# Altium PCB STM32F7_CoreBoard.PcbDoc (part 3 of 8) (continued)
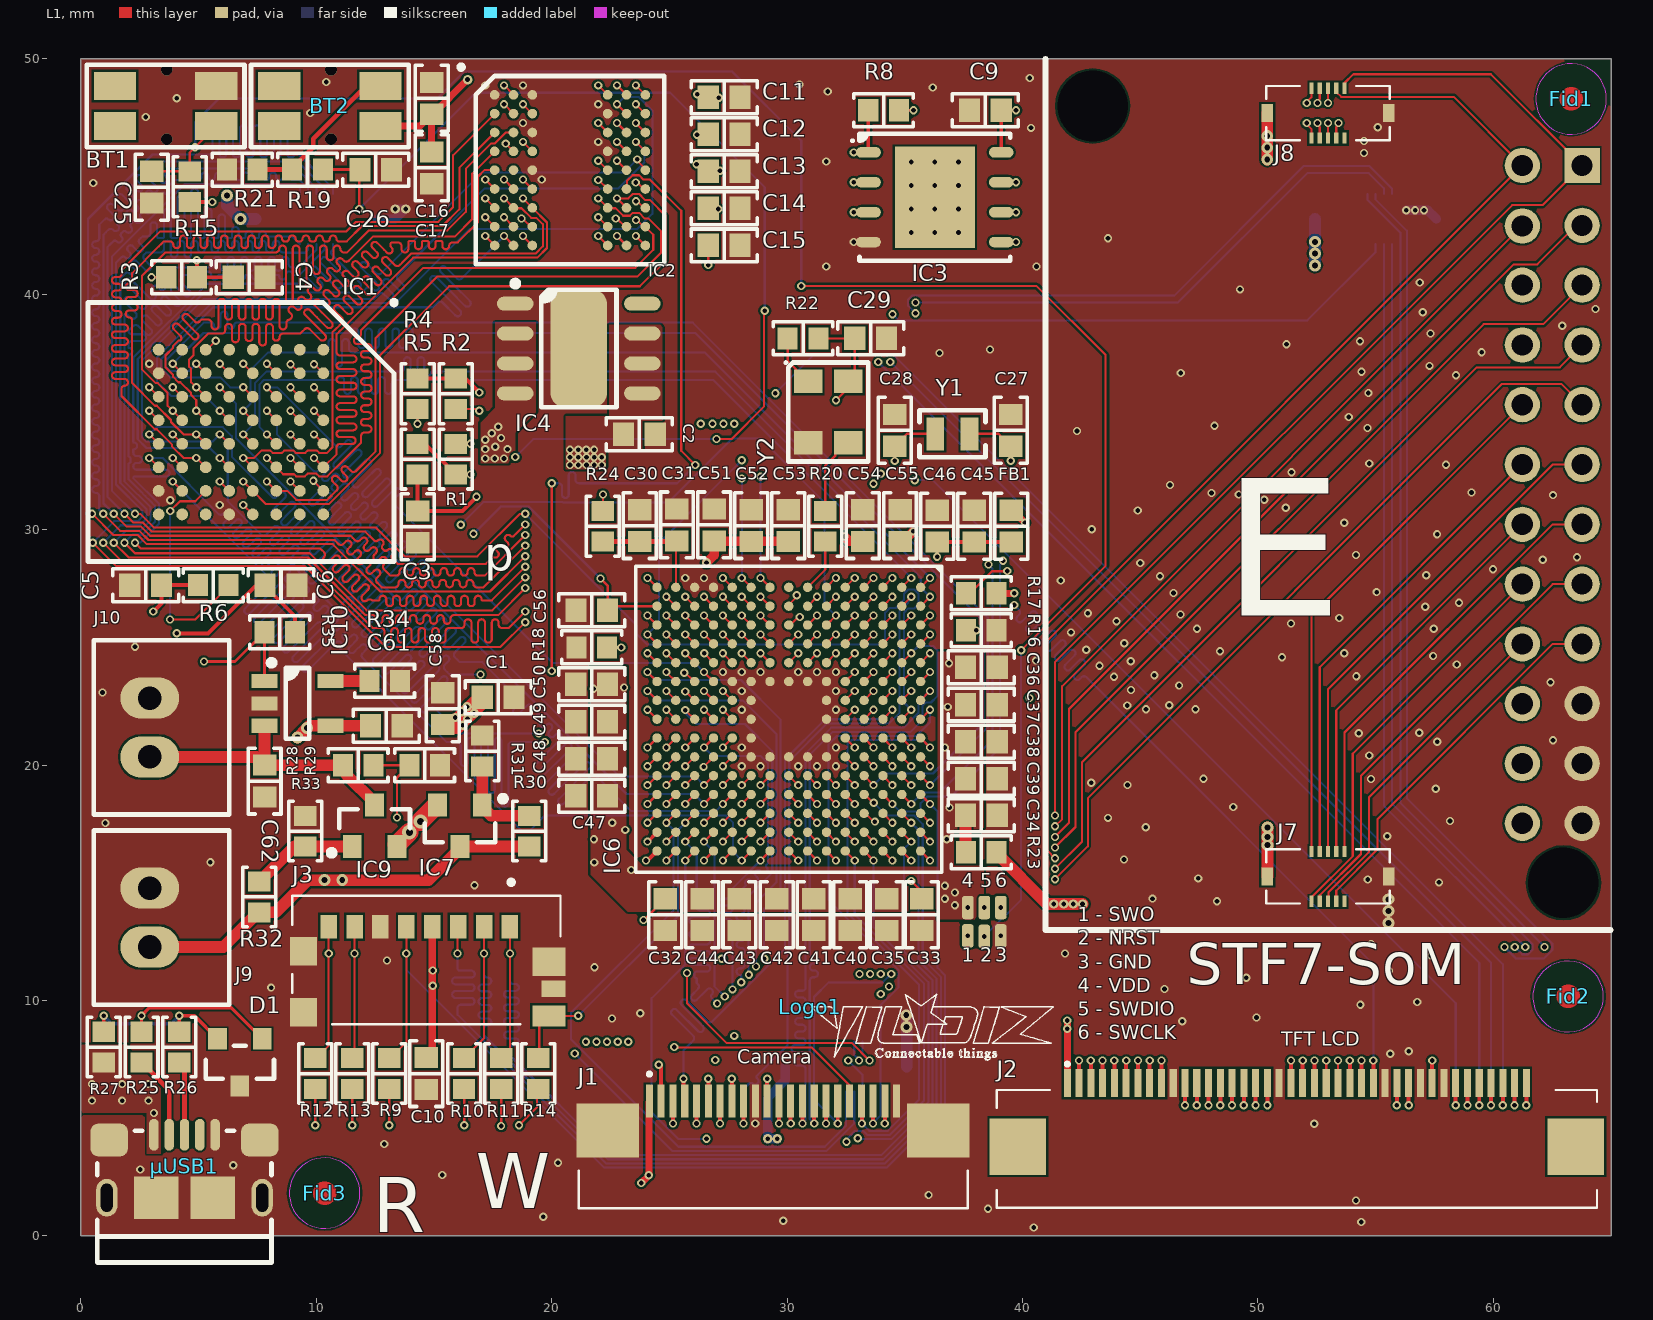
[diagram p0: L1 view]
## Nets (pads, with @x,y where several pads share a name; then routed paths per layer and width w, separated by ;. In a path a pad name is that pad's centre, name@x,y a point inside that pad or via, vN(x,y) a via of type N, cw(c..) or ccw(c..) an arc to the next point about the centre after c; other vN are vias at no path point) (continued)
CAMERA_MISO: IC6.A9 J1.19 | length 24.7
  L1 w0.089: IC6.A9@35.67,21.152 v1(36.07,20.752)
  L1 w0.169: J1.19@33.15,5.725 33.175,5.7 v1(33.175,4.775)
  L6 w0.089: v1(33.175,4.775) 33.483,4.467 34.278,4.467 35.6,5.789 35.6,10.676 32.562,13.715 32.562,20.88 32.742,21.061 35.762,21.061 v1(36.07,20.752)
CAMERA_MOSI: IC6.A8 J1.20 | length 24.5
  L1 w0.089: IC6.A8@35.67,21.952 v1(36.07,22.352)
  L1 w0.169: v1(33.65,4.775) J1.20@33.65,5.725
  L6 w0.089: v1(33.65,4.775) 33.65,4.811 33.97,5.131 33.97,9.809 34.733,10.572 34.733,11.292 31.762,14.263 31.762,20.88 32.12,21.238 35.484,21.238 36.07,21.825 v1(36.07,22.352)
CAMERA_SCL: IC6.P4 J1.18 | length 30.5
  L1 w0.089: v1(24.87,25.553) IC6.P4@25.27,25.153 ; v1(25.2,8.025) 25.211,8.014 31.036,8.014 32.65,6.4 J1.18@32.65,5.725
  L3 w0.089: v1(24.87,25.553) 24.87,25.23 25.225,24.875 25.225,24.558 25.391,24.392 25.809,24.392 26.162,24.039 26.162,23.025 26.434,22.752 27.306,22.752 27.7,22.359 27.7,19.75 27.499,19.549 27.231,19.549 26.956,19.274 26.956,19.026 26.774,18.844 26.189,18.844 26.002,18.657 26.002,16.402 25.875,16.275 25.557,16.275 25.206,15.924 25.206,8.031 v1(25.2,8.025)
CAN_RX: IC6.E4 J5.4 | length 39
  L1 w0.089: IC6.E4@32.47,25.153 v1(32.87,25.553)
  L3 w0.089: v1(32.87,25.553) 33.231,25.914 33.231,26.548 33.371,26.688 33.857,26.688 34.075,26.905 34.075,31.545 v1(33.67,31.95)
  L4 w0.089: v1(33.67,31.95) 33.667,31.954 33.667,35.603 35.142,37.078 35.142,39.342 v1(35.45,39.65)
  L6 w0.089: v1(35.45,39.65) 46.6,39.65 52.1,45.15 54.71,45.15 55.35,44.51 J5.4@55.35,44.26
CAN_TX: IC6.B4 J5.2 | length 39.6
  L1 w0.089: IC6.B4@34.87,25.153 v1(35.27,25.553)
  L3 w0.089: v1(33.975,32.375) 34.962,31.388 34.962,25.861 v1(35.27,25.553)
  L4 w0.089: v1(33.975,32.375) 33.975,35.475 35.45,36.95 v1(35.45,39.2)
  L6 w0.089: v1(35.45,39.2) 35.142,39.508 35.142,39.778 35.322,39.958 46.458,39.958 51.95,45.45 54.725,45.45 55.7,44.475 J5.2@55.7,44.26
CHARGESTATUS: IC6.F3 IC10.1 R35.2 | length 42.2
  L1 w0.089: IC6.F3@31.67,25.953 v1(32.07,26.353)
  L1 w0.127: v1(5.225,24.4) 6.55,24.4 R35.2@7.8,25.65 IC10.1@7.8,23.575
  L2 w0.127: v1(5.225,24.4) 10.32,24.4 v1(16.13,30.21)
  L6 w0.089: v1(16.13,30.21) 17.092,31.172 20.471,31.172 20.485,31.158 24.944,31.158 27.66,33.874 28.875,33.874 31.579,31.171 31.579,26.845 v1(32.07,26.353)
D0: IC1.E3 IC4.A8 IC6.L12 | length 94.6
  L1 w0.089: v1(5.9,36.05) IC1.E3@6.3,35.65 ; v1(22.775,48.875) IC4.A8@23.175,48.475 ; v1(27.27,18.352) IC6.L12@27.67,18.752
  L3 w0.089: v1(5.9,36.05) 5.336,36.05 5.028,36.358 3.772,36.358 3.4,35.986 3.4,35.114 3.028,34.742 2.772,34.742 2.414,35.1 2.414,37.503 10.686,45.775 15.175,45.775 ccw(c15.175,45.919) 15.319,45.919 15.319,46.08 cw(c15.464,46.08) 15.464,46.225 cw(c15.464,46.08) 15.608,46.08 15.608,45.775 ccw(c15.714,45.775) 15.714,45.669 15.792,45.669 ccw(c15.792,45.775) 15.897,45.775 15.897,46.08 cw(c16.042,46.08) 16.042,46.225 cw(c16.042,46.08) 16.186,46.08 16.186,45.775 ccw(c16.292,45.775) 16.292,45.669 16.369,45.669 ccw(c16.369,45.775) 16.475,45.775 16.475,46.08 cw(c16.619,46.08) 16.619,46.225 cw(c16.619,46.08) 16.764,46.08 16.764,45.775 ccw(c16.869,45.775) 16.869,45.669 16.947,45.669 ccw(c16.947,45.775) 17.053,45.775 17.053,46.08 cw(c17.197,46.08) 17.197,46.225 cw(c17.197,46.08) 17.342,46.08 17.342,45.919 ccw(c17.486,45.919) 17.486,45.775 17.55,45.775 18.511,45.775 21.119,48.383 22.283,48.383 v1(22.775,48.875)
  L6 w0.089: v1(5.9,36.05) 6.592,35.358 6.592,33.874 13.28,27.186 13.333,27.133 13.435,27.031 ccw(c13.537,27.133) 13.639,27.031 14.051,27.443 cw(c14.154,27.341) 14.256,27.443 cw(c14.154,27.341) 14.256,27.239 13.844,26.826 ccw(c13.946,26.724) 13.844,26.622 ccw(c13.946,26.724) 14.048,26.622 14.46,27.034 cw(c14.562,26.932) 14.664,27.034 cw(c14.562,26.932) 14.664,26.83 14.252,26.418 ccw(c14.354,26.316) 14.252,26.214 ccw(c14.354,26.316) 14.456,26.214 14.869,26.626 cw(c14.971,26.524) 15.073,26.626 cw(c14.971,26.524) 15.073,26.421 14.661,26.009 ccw(c14.763,25.907) 14.661,25.805 ccw(c14.763,25.907) 14.865,25.805 15.277,26.217 cw(c15.379,26.115) 15.481,26.217 cw(c15.379,26.115) 15.481,26.013 15.069,25.601 ccw(c15.171,25.499) 15.069,25.396 ccw(c15.171,25.499) 15.274,25.396 15.686,25.809 cw(c15.788,25.706) 15.89,25.809 cw(c15.788,25.706) 15.89,25.604 15.478,25.192 ccw(c15.58,25.09) 15.478,24.988 ccw(c15.58,25.09) 15.682,24.988 16.094,25.4 cw(c16.196,25.298) 16.299,25.4 cw(c16.196,25.298) 16.299,25.196 15.886,24.784 ccw(c15.989,24.681) 15.886,24.579 15.989,24.477 16.091,24.375 17.05,24.375 18.412,23.013 18.48,22.945 ccw(c18.515,22.98) 18.549,22.945 cw(c18.651,22.843) 18.754,22.945 cw(c18.651,22.843) 18.754,22.741 18.719,22.706 18.394,22.381 ccw(c18.496,22.279) 18.394,22.177 ccw(c18.496,22.279) 18.598,22.177 18.923,22.502 18.958,22.536 cw(c19.06,22.434) 19.162,22.536 cw(c19.06,22.434) 19.162,22.332 19.127,22.298 ccw(c19.222,22.203) 19.127,22.108 19.143,22.093 ccw(c19.237,22.188) 19.332,22.093 19.366,22.128 cw(c19.469,22.026) 19.571,22.128 cw(c19.469,22.026) 19.571,21.924 19.536,21.889 19.52,21.872 ccw(c19.622,21.77) 19.52,21.668 ccw(c19.622,21.77) 19.724,21.668 19.74,21.685 19.775,21.719 cw(c19.877,21.617) 19.979,21.719 cw(c19.877,21.617) 19.979,21.515 19.945,21.48 19.9,21.435 ccw(c20.002,21.333) 19.9,21.231 ccw(c20.002,21.333) 20.104,21.231 20.149,21.276 20.184,21.311 cw(c20.286,21.209) 20.388,21.311 cw(c20.286,21.209) 20.388,21.106 20.353,21.072 19.223,19.941 ccw(c19.325,19.839) 19.223,19.737 ccw(c19.325,19.839) 19.427,19.737 20.557,20.868 20.592,20.902 cw(c20.694,20.8) 20.796,20.902 cw(c20.694,20.8) 20.796,20.698 20.762,20.663 19.495,19.397 ccw(c19.597,19.295) 19.495,19.193 ccw(c19.597,19.295) 19.7,19.193 20.966,20.459 21.001,20.494 cw(c21.103,20.391) 21.205,20.494 cw(c21.103,20.391) 21.205,20.289 21.17,20.255 19.904,18.988 ccw(c20.006,18.886) 19.904,18.784 ccw(c20.006,18.886) 20.108,18.784 21.375,20.05 21.409,20.085 cw(c21.511,19.983) 21.614,20.085 cw(c21.511,19.983) 21.614,19.881 21.579,19.846 20.312,18.58 ccw(c20.415,18.478) 20.312,18.375 ccw(c20.415,18.478) 20.517,18.375 21.681,19.54 cw(c21.783,19.438) 21.885,19.54 21.9,19.525 23.381,18.044 26.962,18.044 v1(27.27,18.352)
D1: IC1.H3 IC4.B9 IC6.K13 | length 95.8
  L1 w0.089: v1(2.9,36.05) IC1.H3@3.3,35.65 ; v1(23.575,48.075) IC4.B9@23.975,47.675 ; v1(28.07,17.552) IC6.K13@28.47,17.952
  L3 w0.089: v1(2.9,36.05) 2.592,36.358 2.592,37.429 10.612,45.45 10.757,45.45 10.901,45.45 cw(c10.901,45.306) 11.046,45.306 11.046,44.614 ccw(c11.19,44.614) 11.19,44.469 ccw(c11.19,44.614) 11.335,44.614 11.335,45.306 cw(c11.479,45.306) 11.479,45.45 cw(c11.479,45.306) 11.624,45.306 11.624,44.614 ccw(c11.768,44.614) 11.768,44.469 ccw(c11.768,44.614) 11.913,44.614 11.913,45.306 cw(c12.057,45.306) 12.057,45.45 cw(c12.057,45.306) 12.201,45.306 12.201,44.614 ccw(c12.346,44.614) 12.346,44.469 ccw(c12.346,44.614) 12.49,44.614 12.49,45.306 cw(c12.635,45.306) 12.635,45.45 cw(c12.635,45.306) 12.779,45.306 12.779,44.614 ccw(c12.924,44.614) 12.924,44.469 ccw(c12.924,44.614) 13.068,44.614 13.068,45.306 cw(c13.213,45.306) 13.213,45.45 cw(c13.213,45.306) 13.357,45.306 13.357,44.614 ccw(c13.501,44.614) 13.501,44.469 ccw(c13.501,44.614) 13.646,44.614 13.646,45.306 cw(c13.79,45.306) 13.79,45.45 13.935,45.45 14.125,45.45 18.74,45.45 21.015,47.725 23.225,47.725 v1(23.575,48.075)
  L4 w0.089: v1(2.9,36.05) 3.414,35.536 3.414,30.551 19.165,14.8 19.325,14.8 19.477,14.8 19.621,14.8 cw(c19.621,14.656) 19.765,14.656 19.765,13.889 ccw(c19.91,13.889) 19.91,13.744 ccw(c19.91,13.889) 20.054,13.889 20.054,14.656 cw(c20.199,14.656) 20.199,14.8 cw(c20.199,14.656) 20.343,14.656 20.343,13.889 ccw(c20.488,13.889) 20.488,13.744 ccw(c20.488,13.889) 20.632,13.889 20.632,14.656 cw(c20.777,14.656) 20.777,14.8 cw(c20.777,14.656) 20.921,14.656 20.921,13.889 ccw(c21.065,13.889) 21.065,13.744 ccw(c21.065,13.889) 21.21,13.889 21.21,14.656 cw(c21.354,14.656) 21.354,14.8 cw(c21.354,14.656) 21.499,14.656 21.499,13.889 ccw(c21.643,13.889) 21.643,13.744 ccw(c21.643,13.889) 21.788,13.889 21.788,14.656 cw(c21.932,14.656) 21.932,14.8 cw(c21.932,14.656) 22.077,14.656 22.077,13.889 ccw(c22.221,13.889) 22.221,13.744 ccw(c22.221,13.889) 22.366,13.889 22.366,14.656 cw(c22.51,14.656) 22.51,14.8 cw(c22.51,14.656) 22.654,14.656 22.654,13.889 ccw(c22.799,13.889) 22.799,13.744 ccw(c22.799,13.889) 22.943,13.889 22.943,14.656 cw(c23.088,14.656) 23.088,14.8 cw(c23.088,14.656) 23.232,14.656 23.232,13.889 ccw(c23.377,13.889) 23.377,13.744 ccw(c23.377,13.889) 23.521,13.889 23.521,14.656 cw(c23.666,14.656) 23.666,14.8 cw(c23.666,14.656) 23.81,14.656 23.81,13.889 ccw(c23.954,13.889) 23.954,13.744 ccw(c23.954,13.889) 24.099,13.889 24.099,14.656 cw(c24.243,14.656) 24.243,14.8 cw(c24.243,14.656) 24.388,14.656 24.388,14.048 ccw(c24.532,14.048) 24.532,13.903 ccw(c24.532,14.048) 24.677,14.048 24.677,14.656 cw(c24.821,14.656) 24.821,14.8 cw(c24.821,14.656) 24.966,14.656 24.966,14.054 ccw(c25.11,14.054) 25.11,13.91 ccw(c25.11,14.054) 25.255,14.054 25.255,14.656 cw(c25.399,14.656) 25.399,14.8 cw(c25.399,14.656) 25.543,14.656 25.543,13.889 ccw(c25.688,13.889) 25.688,13.744 ccw(c25.688,13.889) 25.832,13.889 25.832,14.656 cw(c25.977,14.656) 25.977,14.8 26.121,14.8 26.41,14.8 26.555,14.8 27.579,15.824 27.579,17.06 v1(28.07,17.552)
D2: IC1.E4 IC4.B8 IC6.B12 | length 93
  L1 w0.089: v1(5.9,35.05) IC1.E4@6.3,34.65 ; v1(22.775,48.075) IC4.B8@23.175,47.675 ; IC6.B12@34.87,18.752 v1(35.27,18.352)
  L3 w0.089: v1(5.9,35.05) 6.208,35.358 6.208,36.178 5.592,36.794 5.592,37.178 7.138,38.724 7.282,38.724 7.571,38.724 7.781,38.724 ccw(c7.781,38.803) 7.86,38.803 cw(c8.004,38.803) 8.004,38.947 cw(c8.004,38.803) 8.149,38.803 ccw(c8.228,38.803) 8.228,38.724 8.359,38.724 ccw(c8.359,38.803) 8.438,38.803 cw(c8.582,38.803) 8.582,38.947 cw(c8.582,38.803) 8.727,38.803 ccw(c8.806,38.803) 8.806,38.724 8.937,38.724 ccw(c8.937,38.803) 9.016,38.803 cw(c9.16,38.803) 9.16,38.947 cw(c9.16,38.803) 9.304,38.803 ccw(c9.383,38.803) 9.383,38.724 9.514,38.724 ccw(c9.514,38.803) 9.593,38.803 cw(c9.738,38.803) 9.738,38.947 cw(c9.738,38.803) 9.882,38.803 ccw(c9.961,38.803) 9.961,38.724 10.092,38.724 ccw(c10.092,38.803) 10.171,38.803 cw(c10.316,38.803) 10.316,38.947 cw(c10.316,38.803) 10.46,38.803 ccw(c10.539,38.803) 10.539,38.724 10.67,38.724 ccw(c10.67,38.803) 10.749,38.803 cw(c10.893,38.803) 10.893,38.947 cw(c10.893,38.803) 11.038,38.803 ccw(c11.117,38.803) 11.117,38.724 11.248,38.724 ccw(c11.248,38.803) 11.327,38.803 cw(c11.471,38.803) 11.471,38.947 cw(c11.471,38.803) 11.616,38.803 ccw(c11.695,38.803) 11.695,38.724 11.826,38.724 ccw(c11.826,38.803) 11.905,38.803 cw(c12.049,38.803) 12.049,38.947 cw(c12.049,38.803) 12.193,38.803 ccw(c12.272,38.803) 12.272,38.724 12.403,38.724 ccw(c12.403,38.803) 12.482,38.803 cw(c12.627,38.803) 12.627,38.947 cw(c12.627,38.803) 12.771,38.803 ccw(c12.85,38.803) 12.85,38.724 12.981,38.724 ccw(c12.981,38.803) 13.06,38.803 cw(c13.205,38.803) 13.205,38.947 cw(c13.205,38.803) 13.349,38.803 ccw(c13.428,38.803) 13.428,38.724 13.559,38.724 ccw(c13.559,38.803) 13.638,38.803 cw(c13.782,38.803) 13.782,38.947 cw(c13.782,38.803) 13.927,38.803 ccw(c14.006,38.803) 14.006,38.724 14.137,38.724 ccw(c14.137,38.803) 14.216,38.803 cw(c14.36,38.803) 14.36,38.947 cw(c14.36,38.803) 14.505,38.803 ccw(c14.584,38.803) 14.584,38.724 14.715,38.724 ccw(c14.715,38.803) 14.794,38.803 cw(c14.938,38.803) 14.938,38.947 cw(c14.938,38.803) 15.082,38.803 ccw(c15.161,38.803) 15.161,38.724 15.292,38.724 ccw(c15.292,38.803) 15.371,38.803 cw(c15.516,38.803) 15.516,38.947 cw(c15.516,38.803) 15.66,38.803 ccw(c15.739,38.803) 15.739,38.724 15.87,38.724 ccw(c15.87,38.803) 15.949,38.803 cw(c16.094,38.803) 16.094,38.947 cw(c16.094,38.803) 16.238,38.803 ccw(c16.317,38.803) 16.317,38.724 16.448,38.724 ccw(c16.448,38.803) 16.527,38.803 cw(c16.671,38.803) 16.671,38.947 cw(c16.671,38.803) 16.816,38.803 ccw(c16.895,38.803) 16.895,38.724 17.026,38.724 ccw(c17.026,38.803) 17.105,38.803 cw(c17.249,38.803) 17.249,38.947 cw(c17.249,38.803) 17.394,38.803 ccw(c17.473,38.803) 17.473,38.724 17.604,38.724 ccw(c17.604,38.803) 17.683,38.803 cw(c17.827,38.803) 17.827,38.947 cw(c17.827,38.803) 17.971,38.803 ccw(c18.05,38.803) 18.05,38.724 18.181,38.724 ccw(c18.181,38.803) 18.26,38.803 cw(c18.405,38.803) 18.405,38.947 cw(c18.405,38.803) 18.549,38.803 ccw(c18.628,38.803) 18.628,38.724 18.838,38.724 19,38.724 28.089,38.724 38.287,28.525 v1(38.55,28.525)
  L6 w0.089: v1(5.9,35.05) 5.261,35.689 3.825,35.689 3.236,36.278 3.236,37.325 5.539,39.628 13.355,39.628 16.51,42.783 23.643,42.783 24.275,43.415 24.275,47.811 23.703,48.383 23.083,48.383 v1(22.775,48.075) ; v1(35.27,18.352) 35.762,18.844 36.494,18.844 38.725,21.075 38.725,28.35 v1(38.55,28.525)
D3: IC1.H4 IC4.C9 IC6.C12 | length 94.7
  L1 w0.089: v1(2.9,35.05) IC1.H4@3.3,34.65 ; v1(23.575,47.275) IC4.C9@23.975,46.875 ; IC6.C12@34.07,18.752 v1(34.47,18.352)
  L3 w0.089: v1(2.9,35.05) 3.222,35.372 3.222,37.808 4.539,39.125 27.939,39.125 38.209,28.855 38.999,28.855 v1(39.167,28.687)
  L4 w0.089: v1(2.9,35.05) 2.592,35.358 2.592,38.135 9.818,45.361 9.963,45.361 10.107,45.361 cw(c10.107,45.217) 10.251,45.217 10.251,44.964 ccw(c10.396,44.964) 10.396,44.819 ccw(c10.396,44.964) 10.54,44.964 10.54,45.361 10.54,45.772 cw(c10.685,45.772) 10.685,45.916 cw(c10.685,45.772) 10.829,45.772 10.829,45.361 10.829,44.964 ccw(c10.974,44.964) 10.974,44.819 ccw(c10.974,44.964) 11.118,44.964 11.118,45.361 11.118,45.772 cw(c11.263,45.772) 11.263,45.916 cw(c11.263,45.772) 11.407,45.772 11.407,45.361 11.407,44.964 ccw(c11.551,44.964) 11.551,44.819 ccw(c11.551,44.964) 11.696,44.964 11.696,45.361 11.696,45.772 cw(c11.84,45.772) 11.84,45.916 cw(c11.84,45.772) 11.985,45.772 11.985,45.361 11.985,44.964 ccw(c12.129,44.964) 12.129,44.819 ccw(c12.129,44.964) 12.274,44.964 12.274,45.217 cw(c12.418,45.217) 12.418,45.361 12.425,45.361 22.897,45.361 23.267,45.731 23.267,46.967 v1(23.575,47.275)
  L6 w0.089: v1(34.47,18.352) 34.784,18.038 35.563,18.038 35.667,18.142 35.667,18.385 35.942,18.66 36.962,18.66 39.042,20.74 39.042,28.508 39.167,28.633 v1(39.167,28.687)
D4: IC1.H5 IC4.C8 IC6.R8 | length 94.5
  L1 w0.089: v1(2.9,34.05) IC1.H5@3.3,33.65 ; v1(22.775,47.275) IC4.C8@23.175,46.875 ; v1(24.07,22.352) IC6.R8@24.47,21.952
  L3 w0.089: v1(16.975,23.85) 18.473,22.352 v1(24.07,22.352)
  L4 w0.089: v1(2.9,34.05) 2.414,34.536 2.414,38.208 10.299,46.094 11.35,46.094 ccw(c11.35,46.238) 11.495,46.238 11.495,46.836 cw(c11.639,46.836) 11.639,46.981 cw(c11.639,46.836) 11.784,46.836 11.784,46.238 ccw(c11.928,46.238) 11.928,46.094 ccw(c11.928,46.238) 12.073,46.238 12.073,46.836 cw(c12.217,46.836) 12.217,46.981 cw(c12.217,46.836) 12.362,46.836 12.362,46.094 12.362,45.683 ccw(c12.506,45.683) 12.506,45.539 ccw(c12.506,45.683) 12.651,45.683 12.651,46.094 12.651,46.836 cw(c12.795,46.836) 12.795,46.981 cw(c12.795,46.836) 12.939,46.836 12.939,46.094 12.939,45.683 ccw(c13.084,45.683) 13.084,45.539 ccw(c13.084,45.683) 13.228,45.683 13.228,45.949 cw(c13.373,45.949) 13.373,46.094 13.517,46.094 13.675,46.094 22.83,46.094 23.083,46.347 23.083,46.967 v1(22.775,47.275)
  L6 w0.089: v1(2.9,34.05) 3.208,34.358 6.028,34.358 6.414,33.972 6.414,33.1 8.144,31.369 ccw(c8.208,31.433) 8.271,31.369 8.456,31.554 cw(c8.558,31.452) 8.66,31.554 cw(c8.558,31.452) 8.66,31.35 8.412,31.102 8.14,30.83 ccw(c8.242,30.728) 8.14,30.626 ccw(c8.242,30.728) 8.344,30.626 8.616,30.898 8.864,31.146 cw(c8.966,31.044) 9.068,31.146 cw(c8.966,31.044) 9.068,30.942 8.82,30.693 8.548,30.421 ccw(c8.65,30.319) 8.548,30.217 ccw(c8.65,30.319) 8.753,30.217 9.025,30.489 9.273,30.737 cw(c9.375,30.635) 9.477,30.737 cw(c9.375,30.635) 9.477,30.533 9.229,30.285 8.957,30.013 ccw(c9.059,29.911) 8.957,29.808 ccw(c9.059,29.911) 9.161,29.808 9.433,30.081 9.681,30.329 cw(c9.783,30.227) 9.886,30.329 cw(c9.783,30.227) 9.886,30.124 9.638,29.876 9.365,29.604 ccw(c9.468,29.502) 9.365,29.4 ccw(c9.468,29.502) 9.57,29.4 9.842,29.672 10.09,29.92 cw(c10.192,29.818) 10.294,29.92 cw(c10.192,29.818) 10.294,29.716 10.046,29.468 9.774,29.196 ccw(c9.876,29.093) 9.774,28.991 ccw(c9.876,29.093) 9.978,28.991 10.25,29.263 10.498,29.512 cw(c10.601,29.409) 10.703,29.512 cw(c10.601,29.409) 10.703,29.307 10.455,29.059 10.183,28.787 ccw(c10.285,28.685) 10.183,28.583 ccw(c10.285,28.685) 10.387,28.583 10.659,28.855 10.907,29.103 cw(c11.009,29.001) 11.111,29.103 cw(c11.009,29.001) 11.111,28.899 10.863,28.651 10.591,28.378 ccw(c10.693,28.276) 10.591,28.174 ccw(c10.693,28.276) 10.795,28.174 11.068,28.446 11.316,28.694 cw(c11.418,28.592) 11.52,28.694 cw(c11.418,28.592) 11.52,28.49 11.272,28.242 11,27.97 ccw(c11.102,27.868) 11,27.766 ccw(c11.102,27.868) 11.204,27.766 11.476,28.038 11.724,28.286 cw(c11.826,28.184) 11.928,28.286 cw(c11.826,28.184) 11.928,28.082 11.68,27.834 11.408,27.561 ccw(c11.51,27.459) 11.408,27.357 ccw(c11.51,27.459) 11.613,27.357 11.885,27.629 12.133,27.877 cw(c12.235,27.775) 12.337,27.877 cw(c12.235,27.775) 12.337,27.673 12.089,27.425 11.817,27.153 ccw(c11.919,27.051) 11.817,26.948 ccw(c11.919,27.051) 12.021,26.948 12.293,27.221 12.541,27.469 cw(c12.643,27.367) 12.746,27.469 cw(c12.643,27.367) 12.746,27.264 12.498,27.016 12.225,26.744 ccw(c12.328,26.642) 12.225,26.54 ccw(c12.328,26.642) 12.43,26.54 12.702,26.812 12.95,27.06 cw(c13.052,26.958) 13.154,27.06 cw(c13.052,26.958) 13.154,26.856 12.906,26.608 12.634,26.336 ccw(c12.736,26.234) 12.634,26.131 ccw(c12.736,26.234) 12.838,26.131 13.11,26.404 13.358,26.652 cw(c13.461,26.549) 13.563,26.652 cw(c13.461,26.549) 13.563,26.447 13.315,26.199 13.043,25.927 ccw(c13.145,25.825) 13.043,25.723 ccw(c13.145,25.825) 13.247,25.723 13.519,25.995 13.767,26.243 cw(c13.869,26.141) 13.971,26.243 cw(c13.869,26.141) 13.971,26.039 13.723,25.791 13.451,25.519 ccw(c13.553,25.416) 13.451,25.314 ccw(c13.553,25.416) 13.655,25.314 13.928,25.586 14.176,25.834 cw(c14.278,25.732) 14.38,25.834 cw(c14.278,25.732) 14.38,25.63 14.132,25.382 13.86,25.11 ccw(c13.962,25.008) 13.86,24.906 ccw(c13.962,25.008) 14.064,24.906 14.336,25.178 14.584,25.426 cw(c14.686,25.324) 14.788,25.426 cw(c14.686,25.324) 14.788,25.222 14.54,24.974 14.417,24.85 ccw(c14.519,24.748) 14.417,24.646 ccw(c14.519,24.748) 14.621,24.646 14.745,24.769 14.993,25.017 cw(c15.095,24.915) 15.197,25.017 cw(c15.095,24.915) 15.197,24.813 15.051,24.667 ccw(c15.153,24.565) 15.051,24.463 ccw(c15.153,24.565) 15.255,24.463 15.401,24.609 cw(c15.503,24.507) 15.606,24.609 cw(c15.503,24.507) 15.606,24.404 15.46,24.259 ccw(c15.562,24.156) 15.46,24.054 15.562,23.952 15.664,23.85 v1(16.975,23.85)
D5: IC1.E5 IC4.D9 IC6.N9 | length 93.5
  L1 w0.089: v1(5.9,34.05) IC1.E5@6.3,33.65 ; v1(23.575,46.475) IC4.D9@23.975,46.075 ; v1(25.67,20.752) IC6.N9@26.07,21.152
  L3 w0.089: v1(19.444,21.344) 19.7,21.6 24.822,21.6 v1(25.67,20.752)
  L6 w0.089: v1(19.444,21.344) 19.437,21.351 16.099,21.351 15.031,22.419 ccw(c14.929,22.317) 14.826,22.419 14.688,22.281 cw(c14.586,22.383) 14.484,22.281 cw(c14.586,22.383) 14.484,22.485 14.724,22.726 15.528,23.53 ccw(c15.426,23.632) 15.528,23.734 ccw(c15.426,23.632) 15.324,23.734 14.52,22.93 14.28,22.69 cw(c14.178,22.792) 14.076,22.69 cw(c14.178,22.792) 14.076,22.894 14.316,23.134 15.183,24.002 ccw(c15.081,24.104) 15.183,24.206 ccw(c15.081,24.104) 14.979,24.206 14.111,23.339 13.871,23.098 cw(c13.769,23.2) 13.667,23.098 cw(c13.769,23.2) 13.667,23.303 13.907,23.543 14.549,24.185 ccw(c14.447,24.287) 14.549,24.389 ccw(c14.447,24.287) 14.345,24.389 13.703,23.747 13.463,23.507 cw(c13.361,23.609) 13.258,23.507 cw(c13.361,23.609) 13.258,23.711 13.499,23.951 13.992,24.445 ccw(c13.89,24.547) 13.992,24.649 ccw(c13.89,24.547) 13.788,24.649 13.294,24.156 13.054,23.915 cw(c12.952,24.018) 12.85,23.915 cw(c12.952,24.018) 12.85,24.12 13.09,24.36 13.583,24.853 ccw(c13.481,24.955) 13.583,25.057 ccw(c13.481,24.955) 13.379,25.057 12.886,24.564 12.646,24.324 cw(c12.543,24.426) 12.441,24.324 cw(c12.543,24.426) 12.441,24.528 12.681,24.769 13.175,25.262 ccw(c13.073,25.364) 13.175,25.466 ccw(c13.073,25.364) 12.97,25.466 12.579,25.075 cw(c12.477,25.177) 12.375,25.075 cw(c12.477,25.177) 12.375,25.279 12.766,25.67 ccw(c12.664,25.772) 12.766,25.875 ccw(c12.664,25.772) 12.562,25.875 12.171,25.484 cw(c12.069,25.586) 11.966,25.484 cw(c12.069,25.586) 11.966,25.688 12.358,26.079 ccw(c12.255,26.181) 12.358,26.283 ccw(c12.255,26.181) 12.153,26.283 11.762,25.892 cw(c11.66,25.994) 11.558,25.892 cw(c11.66,25.994) 11.558,26.096 11.949,26.487 ccw(c11.847,26.59) 11.949,26.692 ccw(c11.847,26.59) 11.745,26.692 11.354,26.301 cw(c11.251,26.403) 11.149,26.301 cw(c11.251,26.403) 11.149,26.505 11.54,26.896 ccw(c11.438,26.998) 11.54,27.1 ccw(c11.438,26.998) 11.336,27.1 10.945,26.709 cw(c10.843,26.811) 10.741,26.709 10.639,26.811 10.434,27.016 10.314,27.136 10.211,27.239 10.109,27.341 cw(c10.211,27.443) 10.109,27.545 10.438,27.874 ccw(c10.336,27.976) 10.438,28.078 ccw(c10.336,27.976) 10.234,28.078 9.905,27.749 cw(c9.803,27.851) 9.701,27.749 cw(c9.803,27.851) 9.701,27.954 10.03,28.282 ccw(c9.928,28.385) 10.03,28.487 ccw(c9.928,28.385) 9.825,28.487 9.496,28.158 cw(c9.394,28.26) 9.292,28.158 cw(c9.394,28.26) 9.292,28.362 9.621,28.691 ccw(c9.519,28.793) 9.621,28.895 ccw(c9.519,28.793) 9.417,28.895 9.088,28.566 cw(c8.986,28.669) 8.884,28.566 cw(c8.986,28.669) 8.884,28.771 9.213,29.1 ccw(c9.11,29.202) 9.213,29.304 ccw(c9.11,29.202) 9.008,29.304 8.679,28.975 cw(c8.577,29.077) 8.475,28.975 cw(c8.577,29.077) 8.475,29.179 8.804,29.508 ccw(c8.702,29.61) 8.804,29.712 ccw(c8.702,29.61) 8.6,29.712 8.271,29.384 cw(c8.169,29.486) 8.066,29.384 cw(c8.169,29.486) 8.066,29.588 8.395,29.917 ccw(c8.293,30.019) 8.395,30.121 ccw(c8.293,30.019) 8.191,30.121 7.862,29.792 cw(c7.76,29.894) 7.658,29.792 7.575,29.875 6.236,31.214 6.236,33.714 v1(5.9,34.05) 5.592,33.742 2.772,33.742 2.592,33.922 2.592,37.178 5.22,39.806 12.456,39.806 12.558,39.908 12.66,40.01 cw(c12.762,39.908) 12.864,40.01 13.026,39.848 ccw(c13.128,39.95) 13.23,39.848 ccw(c13.128,39.95) 13.23,40.052 12.966,40.316 12.875,40.408 cw(c12.977,40.51) 12.875,40.612 cw(c12.977,40.51) 13.079,40.612 13.171,40.521 13.481,40.21 ccw(c13.583,40.312) 13.686,40.21 ccw(c13.583,40.312) 13.686,40.414 13.45,40.65 cw(c13.525,40.725) 13.45,40.8 17.15,44.5 22.836,44.5 23.941,45.605 23.941,46.109 v1(23.575,46.475)
D6: IC1.H6 IC4.D8 IC6.P9 | length 94.3
  L1 w0.089: v1(2.9,33.05) IC1.H6@3.3,32.65 ; v1(22.775,46.475) IC4.D8@23.175,46.075 ; v1(24.87,20.752) IC6.P9@25.27,21.152
  L3 w0.089: v1(19.701,20.98) 19.709,20.988 19.738,20.988 20.166,21.416 24.467,21.416 24.87,21.013 v1(24.87,20.752)
  L4 w0.089: v1(2.9,33.05) 2.9,33.614 2.236,34.278 2.236,39.261 10.558,47.583 13.223,47.583 13.239,47.583 ccw(c13.239,47.711) 13.367,47.711 cw(c13.512,47.711) 13.512,47.856 cw(c13.512,47.711) 13.656,47.711 13.656,47.583 13.656,46.789 ccw(c13.8,46.789) 13.8,46.644 ccw(c13.8,46.789) 13.945,46.789 13.945,47.583 13.945,47.711 cw(c14.089,47.711) 14.089,47.856 cw(c14.089,47.711) 14.234,47.711 14.234,47.583 14.234,46.789 ccw(c14.378,46.789) 14.378,46.644 ccw(c14.378,46.789) 14.523,46.789 14.523,47.583 14.523,47.711 cw(c14.667,47.711) 14.667,47.856 cw(c14.667,47.711) 14.812,47.711 ccw(c14.939,47.711) 14.939,47.583 15.008,47.583 22.103,47.583 22.414,47.272 22.414,46.836 v1(22.775,46.475)
  L6 w0.089: v1(2.9,33.05) 3.464,33.05 5.839,30.675 ccw(c5.941,30.777) 6.043,30.675 6.181,30.813 cw(c6.283,30.711) 6.386,30.813 cw(c6.283,30.711) 6.386,30.609 6.145,30.369 6.091,30.314 ccw(c6.193,30.212) 6.091,30.11 ccw(c6.193,30.212) 6.296,30.11 6.35,30.164 6.59,30.404 cw(c6.692,30.302) 6.794,30.404 cw(c6.692,30.302) 6.794,30.2 6.554,29.96 6.5,29.906 ccw(c6.602,29.804) 6.5,29.702 ccw(c6.602,29.804) 6.704,29.702 6.758,29.756 6.998,29.996 cw(c7.101,29.894) 7.203,29.996 cw(c7.101,29.894) 7.203,29.792 6.962,29.551 6.908,29.497 ccw(c7.01,29.395) 6.908,29.293 ccw(c7.01,29.395) 7.113,29.293 7.167,29.347 7.407,29.587 cw(c7.509,29.485) 7.611,29.587 cw(c7.509,29.485) 7.611,29.383 7.371,29.143 7.317,29.089 ccw(c7.419,28.987) 7.317,28.884 ccw(c7.419,28.987) 7.521,28.884 7.575,28.939 7.816,29.179 cw(c7.918,29.077) 8.02,29.179 cw(c7.918,29.077) 8.02,28.975 7.78,28.734 7.725,28.68 ccw(c7.828,28.578) 7.725,28.476 ccw(c7.828,28.578) 7.93,28.476 7.984,28.53 8.224,28.77 cw(c8.326,28.668) 8.428,28.77 cw(c8.326,28.668) 8.428,28.566 8.188,28.326 8.134,28.272 ccw(c8.236,28.169) 8.134,28.067 ccw(c8.236,28.169) 8.338,28.067 8.392,28.121 8.633,28.362 cw(c8.735,28.26) 8.837,28.362 cw(c8.735,28.26) 8.837,28.157 8.699,28.019 ccw(c8.801,27.917) 8.699,27.815 ccw(c8.801,27.917) 8.903,27.815 9.041,27.953 cw(c9.143,27.851) 9.246,27.953 cw(c9.143,27.851) 9.246,27.749 9.107,27.611 ccw(c9.21,27.509) 9.107,27.406 ccw(c9.21,27.509) 9.312,27.406 9.45,27.545 cw(c9.552,27.442) 9.654,27.545 cw(c9.552,27.442) 9.654,27.34 9.516,27.202 ccw(c9.618,27.1) 9.516,26.998 ccw(c9.618,27.1) 9.72,26.998 9.858,27.136 cw(c9.961,27.034) 10.063,27.136 cw(c9.961,27.034) 10.063,26.932 9.925,26.794 ccw(c10.027,26.691) 9.925,26.589 ccw(c10.027,26.691) 10.129,26.589 10.267,26.727 cw(c10.369,26.625) 10.471,26.727 cw(c10.369,26.625) 10.471,26.523 10.333,26.385 ccw(c10.435,26.283) 10.333,26.181 ccw(c10.435,26.283) 10.537,26.181 10.675,26.319 cw(c10.778,26.217) 10.88,26.319 cw(c10.778,26.217) 10.88,26.115 10.742,25.976 ccw(c10.844,25.874) 10.742,25.772 ccw(c10.844,25.874) 10.946,25.772 11.084,25.91 cw(c11.186,25.808) 11.288,25.91 cw(c11.186,25.808) 11.288,25.706 11.15,25.568 ccw(c11.252,25.466) 11.15,25.364 ccw(c11.252,25.466) 11.355,25.364 11.493,25.502 cw(c11.595,25.4) 11.697,25.502 cw(c11.595,25.4) 11.697,25.297 11.457,25.057 11.403,25.003 ccw(c11.505,24.901) 11.403,24.799 ccw(c11.505,24.901) 11.607,24.799 11.661,24.853 11.901,25.093 cw(c12.003,24.991) 12.105,25.093 cw(c12.003,24.991) 12.105,24.889 11.967,24.751 ccw(c12.07,24.649) 11.967,24.547 12.044,24.469 12.094,24.419 15.539,20.975 15.7,20.975 15.844,20.975 15.989,20.975 cw(c15.989,20.831) 16.133,20.831 16.133,20.107 ccw(c16.278,20.107) 16.278,19.963 ccw(c16.278,20.107) 16.422,20.107 16.422,20.975 16.422,21.029 cw(c16.567,21.029) 16.567,21.173 cw(c16.567,21.029) 16.711,21.029 16.711,20.975 16.711,19.529 ccw(c16.856,19.529) 16.856,19.385 ccw(c16.856,19.529) 17,19.529 17,20.975 17,21.029 cw(c17.144,21.029) 17.144,21.173 cw(c17.144,21.029) 17.289,21.029 17.289,20.975 17.289,18.952 ccw(c17.433,18.952) 17.433,18.807 ccw(c17.433,18.952) 17.578,18.952 17.578,20.975 17.578,21.029 cw(c17.722,21.029) 17.722,21.173 cw(c17.722,21.029) 17.867,21.029 17.867,20.975 17.867,18.374 ccw(c18.011,18.374) 18.011,18.229 ccw(c18.011,18.374) 18.156,18.374 18.156,20.831 cw(c18.3,20.831) 18.3,20.975 18.375,20.975 v1@19.725,20.975